# Altium PCB MB1419.PcbDoc (part 1 of 5) (continued)
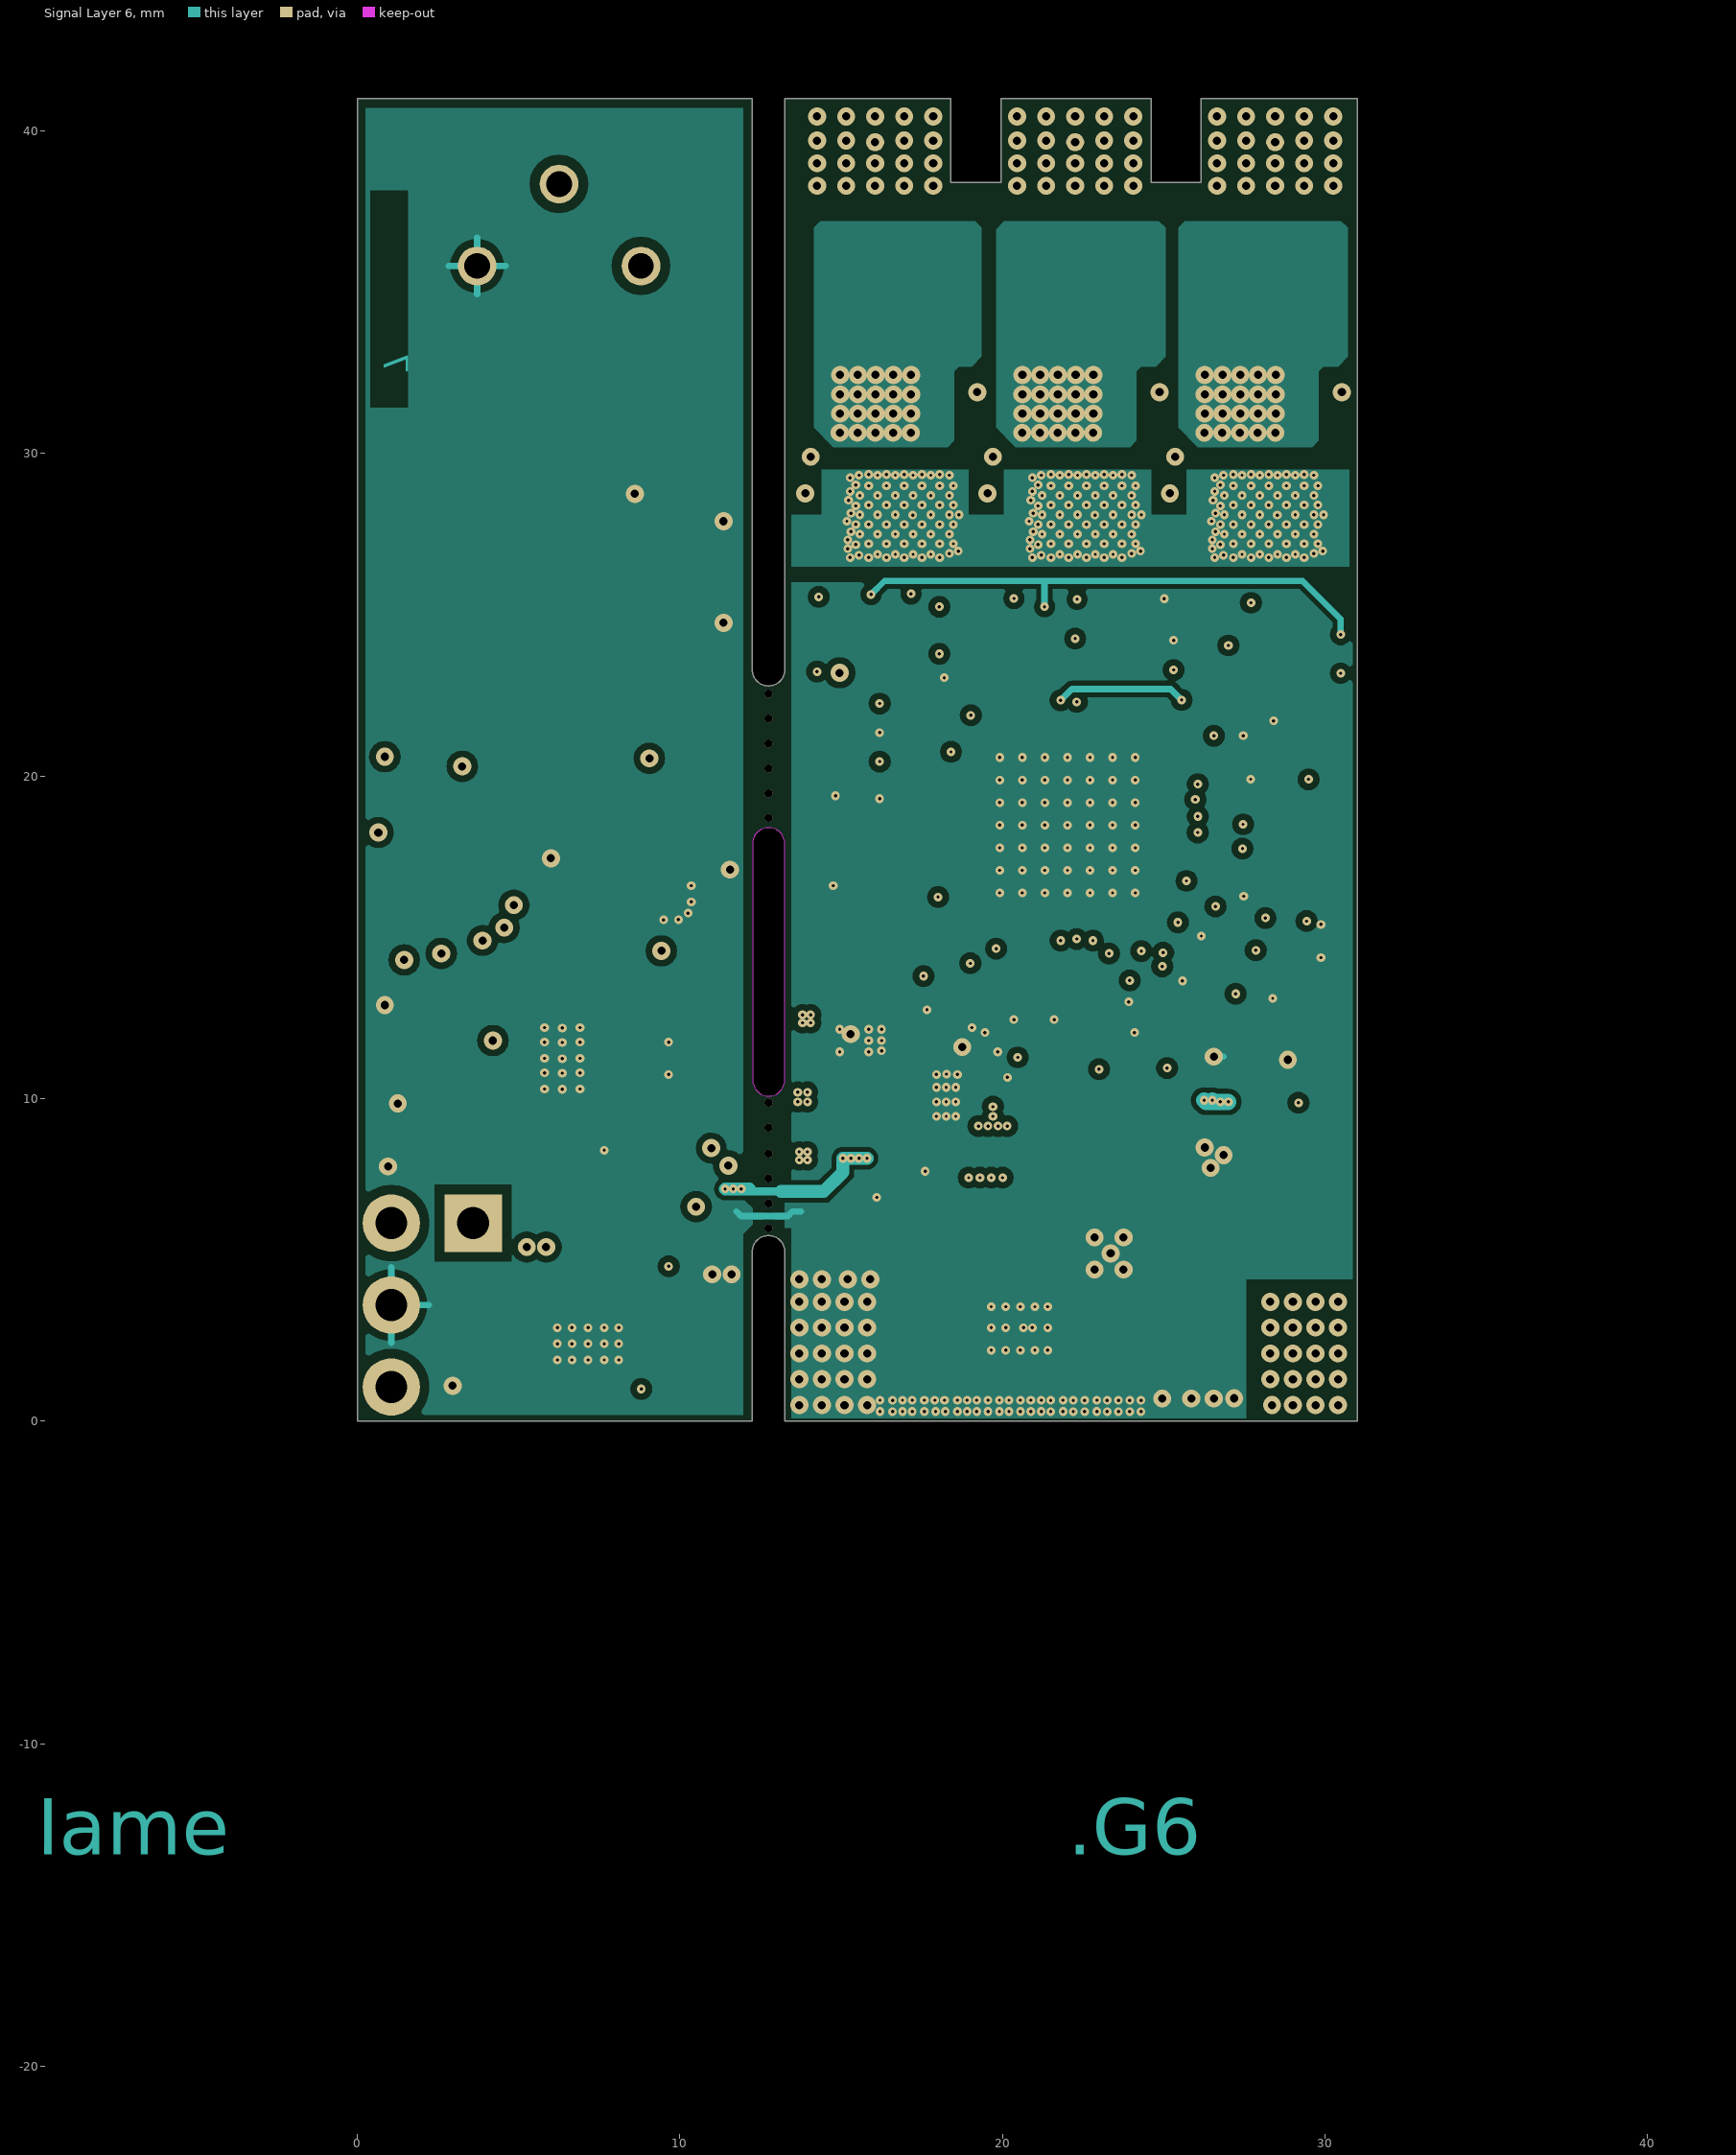
[diagram p7: Signal Layer 6]
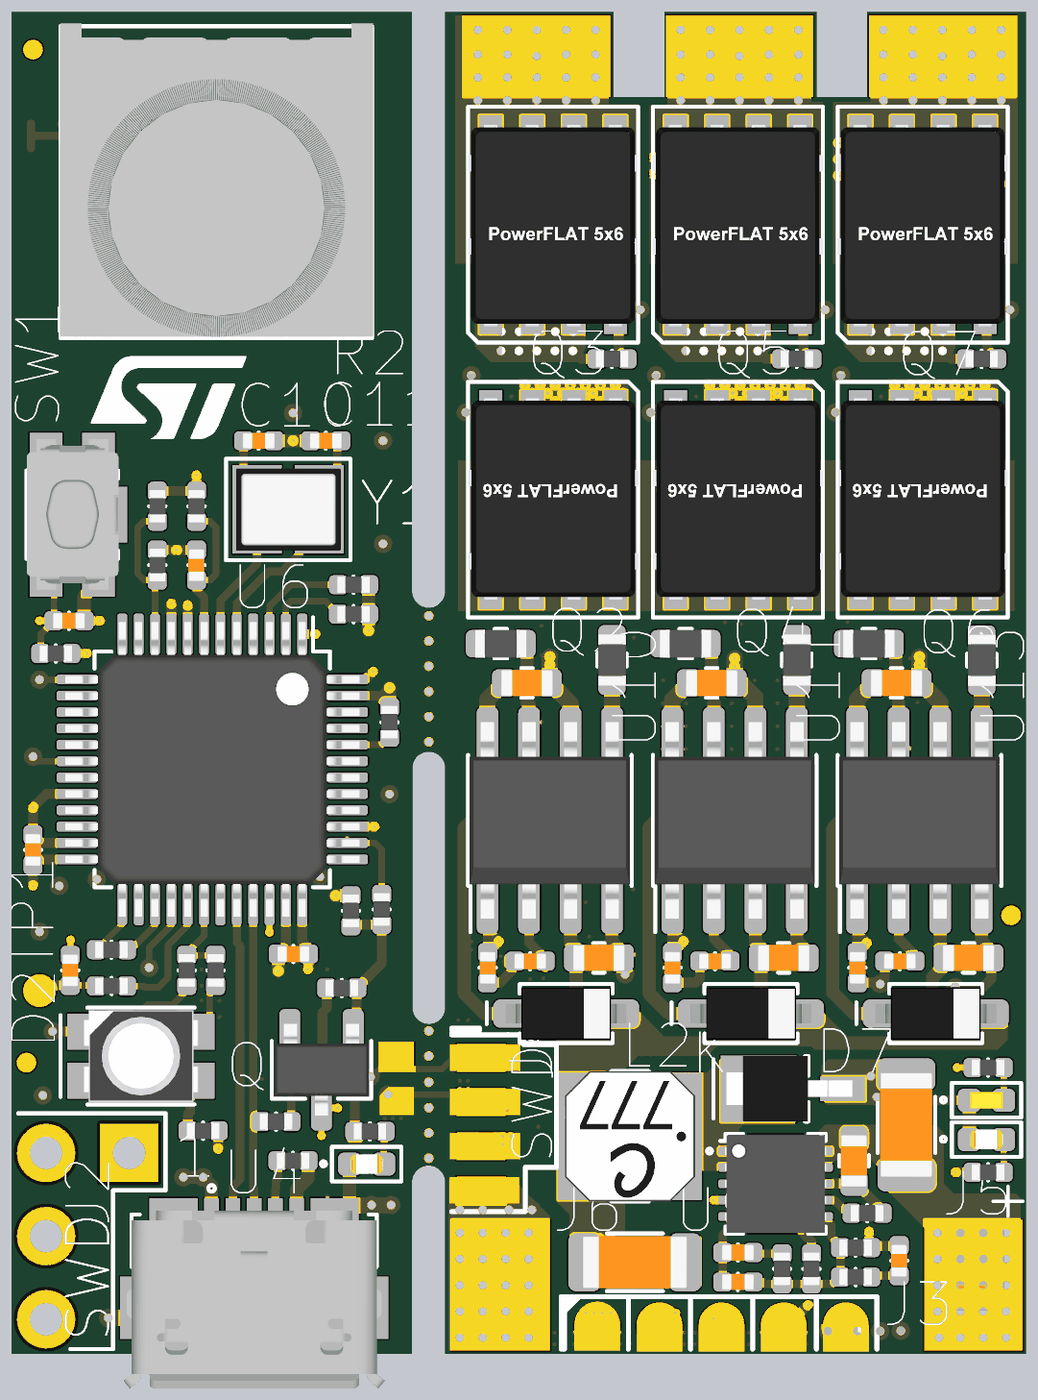
[diagram p12: 3D render of the assembled board from above, using the file's embedded part models]
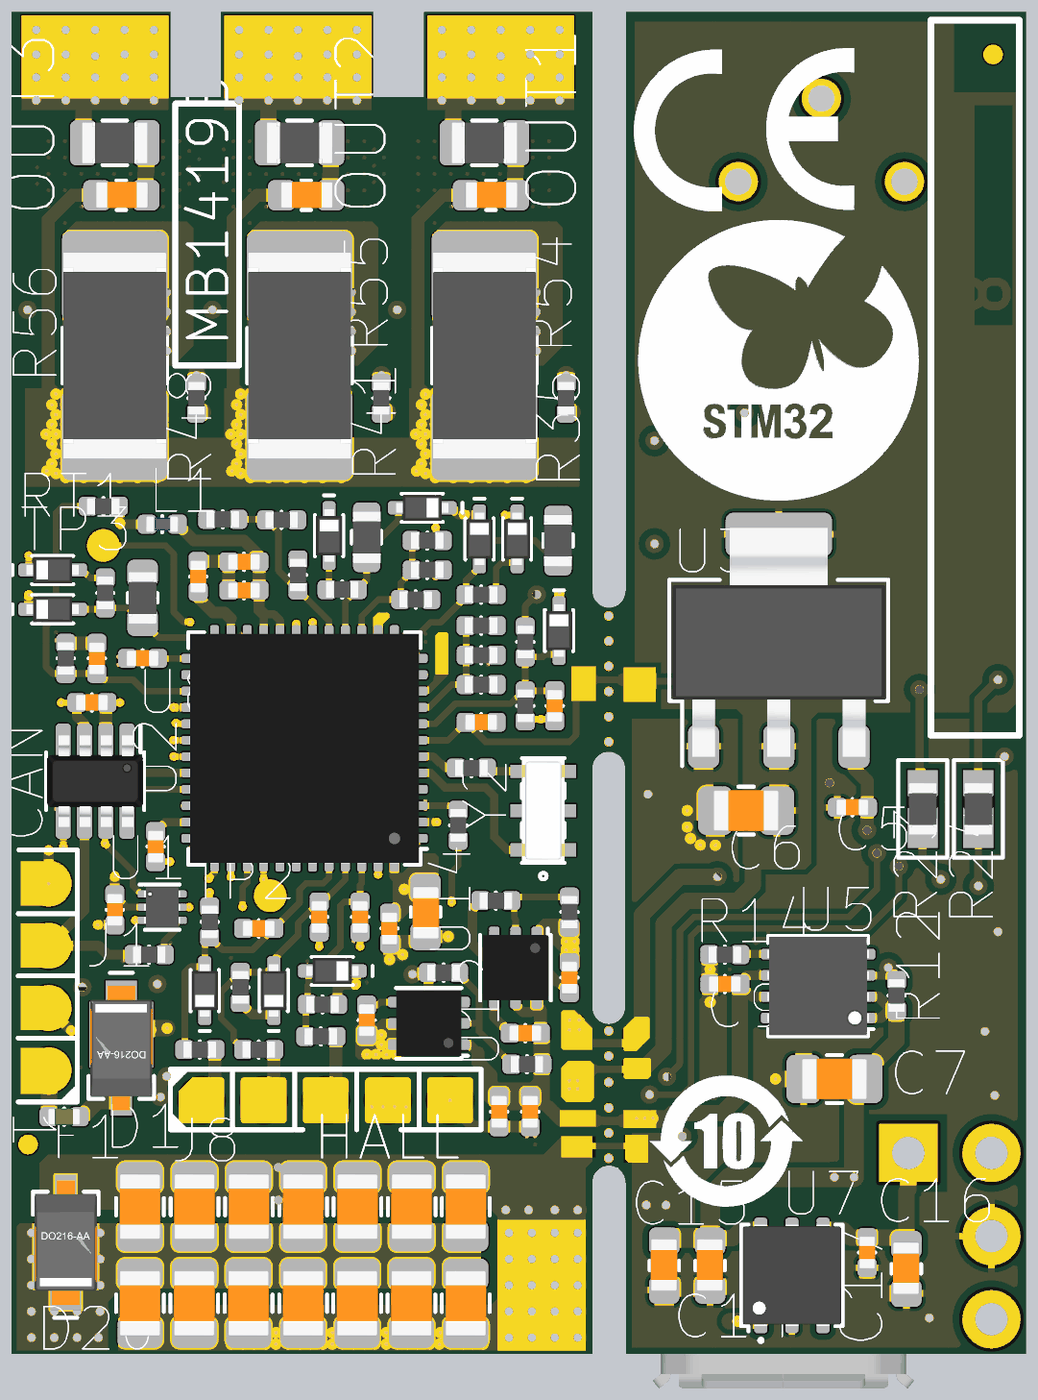
[diagram p13: 3D render of the assembled board from below, using the file's embedded part models]

## Layer stack, top to bottom
Top Solder: solder mask 0.0102, Solder Resist, Dk 3.5
Top Layer: signal copper 0.035
Dielectric 1: prepreg 0.074, Dk 4.5
Signal Layer 1: signal copper 0.035
Dielectric 2: core 0.074, Dk 4.5
Signal Layer 2: signal copper 0.035
Dielectric 3: prepreg 0.18, Dk 4.5
Signal Layer 3: signal copper 0.035
Dielectric 4: core 0.6, Dk 4.5
Signal Layer 4: signal copper 0.035
Dielectric 5: prepreg 0.18, Dk 4.5
Signal Layer 5: signal copper 0.035
Dielectric 6: core 0.074, Dk 4.5
Signal Layer 6: signal copper 0.035
Dielectric 7: prepreg 0.074, Dk 4.5
Bottom Layer: signal copper 0.035
Bottom Solder: solder mask 0.0102, Solder Resist, Dk 3.5

## Board outline
0,0 12.239,0 12.239,5.25 cw(c12.745,5.25) 12.745,5.756 cw(c12.745,5.25) 13.25,5.25 13.25,0 31,0 31,41 26.15,41 26.15,38.4 24.607,38.4 24.607,41 19.95,41 19.95,38.4 18.394,38.4 18.394,41 13.25,41 13.25,23.3 cw(c12.744,23.3) 12.744,22.794 cw(c12.744,23.3) 12.239,23.3 12.239,41 0,41
cut-out: 12.251,10.578 ccw(c12.751,10.578) 12.751,10.078 ccw(c12.751,10.578) 13.251,10.578 13.25,10.6 13.25,17.9 ccw(c12.75,17.9) 12.75,18.4 ccw(c12.75,17.9) 12.25,17.9

## Design rules (kind name [scope] priority, off if disabled: settings)
Clearance Clearance_J2 [(ObjectKind = 'Pad') And (Name = 'J2-1') vs InPolygon] p1: gap=0.3 ignorepadtopadclearanceinfootprint=FALSE
Clearance "Clearance_Separation carte" [WithinRoom('Room_Separation carte')] p2: gap=0.11 ignorepadtopadclearanceinfootprint=FALSE except(0.14: Via-Fill Fill-Hole; 0.15: SMDPad-SMDPad SMDPad-Hole THPad-Hole Via-Via Via-Text Via-Hole Fill-Fill Fill-Poly Fill-Region Fill-Text Poly-Poly Poly-Region Poly-Text Poly-Hole Region-Region Region-Text Region-Hole Text-Hole; 0.18: SMDPad-THPad SMDPad-Via SMDPad-Fill SMDPad-Poly SMDPad-Region SMDPad-Text; 0.2: THPad-THPad THPad-Via THPad-Fill THPad-Poly THPad-Region THPad-Text Via-Poly Via-Region Text-Text)
Clearance Clearance_uVia [IsVia and (DrillPair = 'INN1-PWR - INN2-GND-PWR') vs IsVia] p3 off: gap=0 ignorepadtopadclearanceinfootprint=FALSE
Clearance Clearance_Same [IsVia vs IsVia] p4: gap=0 ignorepadtopadclearanceinfootprint=FALSE
Clearance Clearance_Keepout [IsKeepOut] p5: gap=0.001 ignorepadtopadclearanceinfootprint=FALSE
Clearance [All] p6: gap=0.15 ignorepadtopadclearanceinfootprint=FALSE except(0.18: Arc-SMDPad Track-SMDPad SMDPad-THPad SMDPad-Via SMDPad-Fill SMDPad-Poly SMDPad-Text Via-Region; 0.2: Arc-THPad Track-THPad THPad-THPad THPad-Via THPad-Fill THPad-Poly THPad-Region THPad-Text Via-Fill Via-Poly Text-Text)
ComponentClearance [All] p1: gap=0 collisioncheckmode=3 verticalgap=0 showdistances=FALSE
HoleToHoleClearance [All] p1: gap=0.15 allowstackedmicrovias=TRUE
MinimumSolderMaskSliver [All] p1: minsoldermaskwidth=0.1
PolygonConnect PolygonConnect_J2-3 [(ObjectKind = 'Pad') And (Name = 'J2-3')] p1: connectstyle=Relief reliefconductorwidth=0.2 reliefentries=4 polygonreliefangle="90 Angle" airgapwidth=0.226
PolygonConnect PolygonConnect_J2 [InComponent('J2')] p2: connectstyle=Relief reliefconductorwidth=0.2 reliefentries=4 polygonreliefangle="90 Angle" airgapwidth=0.227
PolygonConnect PolygonConnect_R2 [InComponent('R2')] p3: connectstyle=Relief reliefconductorwidth=0.2 reliefentries=4 polygonreliefangle="90 Angle" airgapwidth=0.23
PolygonConnect PolygonConnect_noyé [InComponent('D20','C1', 'C56', 'C37', 'C39', 'C40', 'C34', 'C31', 'C32', 'C35', 'C38', 'C27', 'C28', 'C29', 'C30', 'C33', 'C36', 'J1','J8', 'U12', 'C57', 'C70', 'R42', 'C63', 'C64', 'R49', 'U14', 'C18', 'C19', 'R54', 'R55', 'R56', 'J1', 'J7', 'Q2', 'Q3', 'Q4', 'Q5', 'Q6', 'Q7', 'L2', 'J3', 'J4', 'J5', 'J6', 'D7', 'C41', 'C44', 'C45', 'U9', 'D6', 'D8', 'D9', 'U8')] p4: connectstyle=Direct reliefconductorwidth=0.254 reliefentries=4 polygonreliefangle="90 Angle" airgapwidth=0.254
PolygonConnect [All] p5: thpad.connectstyle=Relief thpad.reliefconductorwidth=0.254 thpad.reliefentries=4 thpad.polygonreliefangle="90 Angle" thpad.airgapwidth=0.254 smdpad.connectstyle=Relief smdpad.reliefconductorwidth=0.2 smdpad.reliefentries=4 smdpad.polygonreliefangle="90 Angle" smdpad.airgapwidth=0.127 via.connectstyle=Direct via.reliefconductorwidth=0.254 via.reliefentries=4 via.polygonreliefangle="90 Angle" via.airgapwidth=0.254
RoomDefinition "Room_Separation carte" [False] p1: confinementstyle=ConfineIn formatcopy=TRUE lockcomponents=FALSE outline 12.24,23.462 13.25,23.462 13.25,5.11 12.24,5.11
RoutingVias [All] p1: holewidth=0.3 width=0.3 viastyle="Through Hole" minholewidth=0.1 minwidth=0.22 maxholewidth=0.5 maxwidth=0.7
ShortCircuit ShortCircuit_JP1-JP3 [InComponent('JP1', 'JP2', 'JP3') vs InComponent('JP1', 'JP2', 'JP3')] p1: allowed=TRUE
ShortCircuit [All] p2: allowed=FALSE
SolderMaskExpansion SolderMaskExpansion_Via [IsVia] p1: expansion=-10
SolderMaskExpansion [All] p2: expansion=0.038
Width [All] p1: maxlimit=5 minlimit=0.15 preferedwidth=0.2
26 further rules are at their usual default settings.

## Classes and differential pairs
component class SENSING: C66 C67 C68 C69 C70 D10 D11 D12 D13 D14 D15 D16 D17 D18 D19 J8 R57 R58 R59 R60 R61 R62 R63 R64 R65 R66 R67 R68 R69 R70 R71 R72 R73 R74 R75 R76 R77 R80 R81 R82 RT1
component class "POWER STAGE": C27 C28 C29 C30 C31 C32 C33 C34 C35 C36 C37 C38 C39 C40 C41 C42 C43 C44 C45 C46 C47 C48 C49 C50 C51 C52 C53 C54 C55 C56 C57 C58 C59 C60 C61 C62 C63 C64 C65 D6 D7 D8 D9 D20 J5 J6 J7 JP1 JP2 JP3 L2 Q2 Q3 Q4 Q5 Q6 Q7 R30 R31 R32 R33 R34 R35 R36 R37 R38 R39 R40 R41 R42 R43 R44 R45 R46 R47 R48 R49 R50 R51 R52 R53 R54 R55 R56 U9 U10 U11 U12 U13 U14
component class MCU: C18 C19 C20 C21 C22 C23 C24 C25 C26 D4 D5 J3 J4 L1 R26 R27 R28 R29 TP2 TP3 U8 Y2
component class DAUGHTERBOARD: C3 C4 C5 C6 C7 C8 C9 C10 C11 C12 C13 C14 C15 C16 C17 D2 D3 J2 Q1 R2 R3 R4 R5 R6 R7 R8 R9 R10 R11 R12 R13 R14 R15 R16 R17 R18 R19 R20 R21 R22 R23 R24 SW1 TP1 U3 U4 U5 U6 U7 Y1
component class CAN: C1 C2 D1 F1 J1 R1 U1 U2

## Components (designator, comment, footprint, x,y, rotation, side; value= is the part's Value field where it differs from the comment)
C1 "0.1uF" C_0402 27.85,13.57 r270 bottom
C2 "0.1uF" C_0402 28.55,19.9 r180 bottom
C3 "0.1uF" C_0402 0.65,15.4 r90 top
C4 "0.1uF" C_0402 8.61,12.22 r180 top
C5 "0.1uF" C_0402 5.3,16.7 r0 bottom
C6 "10uF" C_0805 8.55,16.6 r0 bottom
C7 "4.7uF" C_0805 5.85,8.4 r0 bottom
C8 "100pF" C_0402 1.75,22.4 r0 top
C9 "0.1uF" C_0402 9.2,11.3 r0 bottom
C10 "10pF" C_0402 7.55,27.9 r180 top
C11 "10pF" C_0402 9.6,27.9 r0 top
C12 "N.M." C_0402 1.79,11.72 r270 top
C13 "0.1uF" C_0402 5.65,24.1 r90 top
C14 "1 uF" C_0603 9.65,2.7 r270 bottom
C15 "0.1uF" C_0603 11.05,2.7 r270 bottom
C16 "1 uF" C_0603 3.65,2.6 r270 bottom
C17 "0.1uF" C_0402 4.85,3.1 r270 bottom
C18 "0.1uF" C_0402 19.45,13 r270 bottom
C19 "4.7uF" C_0603 18.35,13.5 r90 bottom
C20 "0.1uF" C_0402 26.6,15.5 r270 bottom
C21 "0.1uF" C_0402 16.65,19.3 r180 bottom
C22 "0.1uF" C_0402 27,21.25 r0 bottom
C23 "0.1uF" C_0402 14.4,19.8 r270 bottom
C24 "0.1uF" C_0402 25.3,23.75 r90 bottom
C25 "1uF" C_0402 23.9,23.33 r0 bottom
C26 "10nf" C_0402 23.9,24.2 r0 bottom
C27 "15uF" C_0805_HD 23.76,1.55 r90 bottom
C28 "15uF" C_0805_HD 25.411,4.5 r270 bottom
C29 "15uF" C_0805_HD 25.42,1.55 r90 bottom
C30 "15uF" C_0805_HD 18.78,1.55 r90 bottom
C31 "15uF" C_0805_HD 18.771,4.5 r270 bottom
C32 "15uF" C_0805_HD 20.431,4.5 r270 bottom
C33 "15uF" C_0805_HD 27.08,1.55 r90 bottom
C34 "15uF" C_0805_HD 17.12,1.55 r90 bottom
C35 "15uF" C_0805_HD 22.091,4.5 r270 bottom
C36 "15uF" C_0805_HD 23.751,4.5 r270 bottom
C37 "15uF" C_0805_HD 20.44,1.55 r90 bottom
C38 "15uF" C_0805_HD 22.091,1.55 r90 bottom
C39 "15uF" C_0805_HD 27.08,4.5 r270 bottom
C40 "15uF" C_0805_HD 17.12,4.5 r270 bottom
C41 "0.22uF" C_0603_HD 25.75,5.9 r270 top
C42 "3.9nf" C_0402 27.13,2.85 r90 top
C43 "1uF" C_0603_HD 15.75,20.5 r0 top
C44 "10uF" C_1206 27.35,7 r90 top
C45 "22uF" C_1206 19.05,2.8 r180 top
C46 "27pF" C_0402 22.2,2.2 r180 top
C47 "100pF" C_0402 14.55,11.8 r270 top
C48 "100pF" C_0402 15.85,12 r180 top
C49 "470nF" C_0603_HD 17.95,12.1 r0 top
C50 "4.7nF" C_0402 22.2,3.1 r180 top
C51 "10nf" C_0603 16.35,35.4 r0 bottom
C52 "1uF" C_0603_HD 21.4,20.5 r0 top
C53 "100pF" C_0402 20.2,11.8 r270 top
C54 "100pF" C_0402 21.5,12 r180 top
C55 "470nF" C_0603_HD 23.6,12.1 r0 top
C56 "1uF" C_0402 20.15,10.2 r90 bottom
C57 "2.2uF" C_0402 15.15,7.4 r270 bottom
C58 "1uF" C_0603_HD 27.05,20.5 r0 top
C59 "10nf" C_0603 22,35.4 r0 bottom
C60 "100pF" C_0402 25.85,11.8 r270 top
C61 "100pF" C_0402 27.15,12 r180 top
C62 "470nF" C_0603_HD 29.25,12.1 r0 top
C63 "1uF" C_0402 15.3,9.8 r0 bottom
C64 "2.2uF" C_0402 13.95,11.5 r270 bottom
C65 "10nf" C_0603 27.65,35.4 r0 bottom
C66 "10nf" C_0402 28.4,21.25 r90 bottom
C67 "10pF" C_0402 23.45,13 r0 bottom
C68 "10pF" C_0402 21.6,13.35 r270 bottom
C69 "10pF" C_0402 20.35,13.35 r270 bottom
C70 "0.1uF" C_0402 16.1,7.4 r270 bottom
CART-8L-1 "Comment" Sheetbox_8L2S -28.675,-25.65 r0 top
D1 "STPS1L20MF" do216-aa-flat 27.65,9.3 r90 bottom
D2 "LED GREEN RED" Led_bicolor_3528-PLCC-4 3.95,9.1 r0 top
D3 "LNJ347W83RA" D_0402_Led_green 10.85,5.8 r0 top
D4 "LED RED" D_0402_Led_red 29.8,7.75 r0 top
D5 "LNJ347W83RA" D_0402_Led_green 29.8,6.55 r0 top
D6 "STPS0560Z" SOD_123 16.95,10.4 r0 top
D7 "STPS1L40M" do216-aa_stmite 23.85,8.1 r0 top
D8 "STPS0560Z" SOD_123 22.6,10.4 r0 top
D9 "STPS0560Z" SOD_123 28.25,10.4 r0 top
D10 "BAT30KFILM" sodfl160x80x65l30x30n 16.7,24.9 r270 bottom
D11 "BAT30KFILM" sodfl160x80x65l30x30n 15.55,24.9 r270 bottom
D12 "BAT30KFILM" sodfl160x80x65l30x30n 18.45,25.85 r0 bottom
D13 "BAT30KFILM" sodfl160x80x65l30x30n 21.3,25 r270 bottom
D14 "BAT30KFILM" sodfl160x80x65l30x30n 29.75,22.75 r180 bottom
D15 "BAT30KFILM" sodfl160x80x65l30x30n 29.75,23.95 r180 bottom
D16 "BAT30KFILM" sodfl160x80x65l30x30n 14.27,22.1 r270 bottom
D17 "BAT30KFILM" sodfl160x80x65l30x30n 25.1,11.1 r90 bottom
D18 "BAT30KFILM" sodfl160x80x65l30x30n 22.99,11.1 r90 bottom
D19 "BAT30KFILM" sodfl160x80x65l30x30n 21.2,11.7 r0 bottom
D20 "SMM4F26A" do216-aa-flat 29.35,3.45 r270 bottom
F1 "250mA" f_0402 29.4,7.25 r0 bottom
J1 "can" SOLDER_PAD_4PIN_SMD 29.87,8.67 r90 bottom
J2 "SWD STLINK" strip4_100m_v 1.05,6.14 r270 top
J3 "PWM" SOLDER_PAD_5PIN_SMD 17.9,0.85 r0 top
J4 "SWD-PAD" SOLDER_PAD_4PIN_rect_SMD 14.35,9.05 r270 top
J5 "CON1" wire1_220s 29.4,2.1 r0 top
J6 "CON1" wire1_220s 14.95,2.1 r0 top
J7 "Motor" conn_motor_out 22.25,39.65 r180 top
J8 "SOLDER PAD" SOLDER_PAD_5PIN_SMD 25.2,7.75 r180 bottom
JP1 "Short" SHORT 16.35,29.65 r0 top
JP2 "Short" SHORT 22,29.65 r0 top
JP3 "Short" SHORT 27.65,29.65 r0 top
L1 "600 Ohms@100MHz" L_0402 26.4,25.35 r0 bottom
L2 "33uH" ind_Coilcraft-LPS4018 18.9,6.65 r180 top
Q1 "2STR1160" sot23-3p97_255x140l40x40n 9.47,8.68 r180 top
Q2 "STL180N6F7" power_flat_5x6 16.55,26.1 r180 top
Q3 "STL180N6F7" power_flat_5x6 16.55,34.5 r0 top
Q4 "STL180N6F7" power_flat_5x6 22.2,26.1 r180 top
Q5 "STL180N6F7" power_flat_5x6 22.2,34.5 r0 top
Q6 "STL180N6F7" power_flat_5x6 27.85,26.1 r180 top
Q7 "STL180N6F7" power_flat_5x6 27.85,34.5 r0 top
R1 "120" R_0402 26.8,12.2 r0 bottom
R2 "10K" trimmer-3386P_T 6.25,35.8 r180 top
R3 "10K" R_0402 10.09,11.18 r180 top
R4 "100" R_0402 11.31,13.58 r270 top
R5 "1.5k" R_0402 8.08,7.1 r180 top
R6 "36K" R_0402 10.37,13.54 r270 top
R7 "100K" R_0402 8.6,5.9 r180 top
R8 "100" R_0402 6.23,11.72 r270 top
R9 "100" R_0402 5.35,11.72 r90 top
R10 "10K" R_0402 1.35,21.4 r180 top
R11 "0" R_0402 5.85,6.82 r180 top
R12 "10K" R_0402 3.95,10.95 r90 bottom
R13 "100K" R_0402 11.55,19.3 r90 top
R14 "2.7K" R_0402 9.2,12.2 r0 bottom
R15 "100K" R_0402 5.65,25.9 r270 top
R16 "10K" R_0402 10.45,22.6 r0 top
R17 "N.M." R_0402 10.45,23.5 r0 top
R18 "100" R_0402 3.05,11.24 r0 top
R19 "4.7K" R_0402 4.45,25.9 r90 top
R20 "100" R_0402 3.05,12.35 r0 top
R21 "1K" R_0402 10.95,6.8 r0 top
R22 "4.7K" R_0402 4.45,24.1 r90 top
R23 "0" JUMPER_0603_DROP 3.15,16.65 r90 bottom
R24 "0" JUMPER_0603_DROP 1.45,16.65 r90 bottom
R26 "0" R_0402 17.35,16.15 r270 bottom
R27 "220" R_0402 16.95,17.9 r0 bottom
R28 "510" R_0402 29.85,8.75 r0 top
R29 "510" R_0402 29.85,5.55 r0 top
R30 "4.7K" R_0402 25.8,3.25 r180 top
R31 "62" R_0402 25.8,2.35 r180 top
R32 "34.8k" R_0402 26.15,4.3 r0 top
R33 "300" R_0402 24.45,2.6 r270 top
R34 "33" R_0603_HD 14.95,21.7 r180 top
R35 "10K" R_0402 14.05,29.2 r90 bottom
R36 "8.2k" R_0402 23.55,2.6 r270 top
R37 "1" R_0805 16.55,37 r0 bottom
R38 "33" R_0603_HD 18.35,21.2 r90 top
R39 "10K" R_0402 18.35,30.4 r180 top
R40 "33" R_0603_HD 20.6,21.7 r180 top
R41 "10K" R_0402 19.7,29.2 r90 bottom
R42 "52.3k" R_0402 15.25,8.85 r180 bottom
R43 "33" R_0603_HD 24,21.2 r90 top
R44 "1" R_0805 22.2,37 r0 bottom
R45 "10K" R_0402 24,30.4 r180 top
R46 "10K" R_0402 17.8,11.65 r0 bottom
R47 "33" R_0603_HD 26.205,21.7 r180 top
R48 "10K" R_0402 25.35,29.2 r90 bottom
R49 "30.9k" R_0402 13.95,13.5 r270 bottom
R50 "33" R_0603_HD 29.655,21.195 r90 top
R51 "1" R_0805 27.85,37 r0 bottom
R52 "10K" R_0402 29.65,30.4 r180 top
R53 "10K" R_0402 16.2,13.85 r0 bottom
R54 "0.003" resc635x300x60l193n 16.55,30.5 r270 bottom
R55 "0.003" resc635x300x60l193n 22.2,30.5 r270 bottom
R56 "0.003" resc635x300x60l193n 27.85,30.5 r270 bottom
R57 "2.2k" R_0402 16.65,23.2 r180 bottom
R58 "2.2k" R_0402 20.9,23.35 r0 bottom
R59 "2.2k" R_0402 28.14,23.25 r90 bottom
R60 "4.7K" R_0402 29.35,21.25 r90 bottom
R61 "10K" R_0603_HD 14.3,24.85 r270 bottom
R62 "10K" R_0603_HD 20.15,24.95 r270 bottom
R63 "10K" R_0603 27,23.1 r270 bottom
R64 "22k" r_0402 16.65,22.25 r180 bottom
R65 "22k" r_0402 18.3,23.95 r180 bottom
R66 "22k" r_0402 22.75,25.48 r180 bottom
R67 "1.5k" R_0402 16.65,20.45 r180 bottom
R68 "169k" R_0402 15.3,21.75 r270 bottom
R69 "1.5k" R_0402 18.3,24.85 r180 bottom
R70 "1.5k" R_0402 22.25,23.8 r90 bottom
R71 "10K" R_0402 24.95,13.2 r270 bottom
R72 "10K" R_0402 24.01,11.2 r90 bottom
R73 "10K" R_0402 21.5,10.68 r180 bottom
R74 "1.8k" R_0402 25.25,9.3 r0 bottom
R75 "1.8k" R_0402 23.45,9.3 r0 bottom
R76 "18k" R_0402 15.3,19.8 r270 bottom
R77 "1.8k" R_0402 21.55,9.7 r180 bottom
R80 "2.2k" R_0402 16.65,21.35 r0 bottom
R81 "2.2k" R_0402 18.65,23.05 r0 bottom
R82 "2.2k" R_0402 24.55,25.5 r180 bottom
RT1 "10K" R_0402 28.2,25.9 r0 bottom
SW1 "miniswitch-KMR211GLFS" switch_SMT_4_2x2_8mm 1.85,25.64 r270 top
TP1 "TP" test_point_100_smd 0.85,11.1 r180 top
TP2 "TP" test_point_100_smd 23.1,14 r90 bottom
TP3 "TP" test_point_100_smd 28.2,24.7 r0 bottom
U1 "AS11P2TLRQ" son6p40_120x100x55l35x20 26.4,13.65 r270 bottom
U2 "TCAN330DCNT" sot23-8p65_280x145l45x30n 28.45,17.5 r0 bottom
U3 "LD1117S50TR" sot223-4p230_700x190l65x72 7.55,21.8 r0 bottom